# KiCad board LittleSixteen.kicad_pcb (continued)
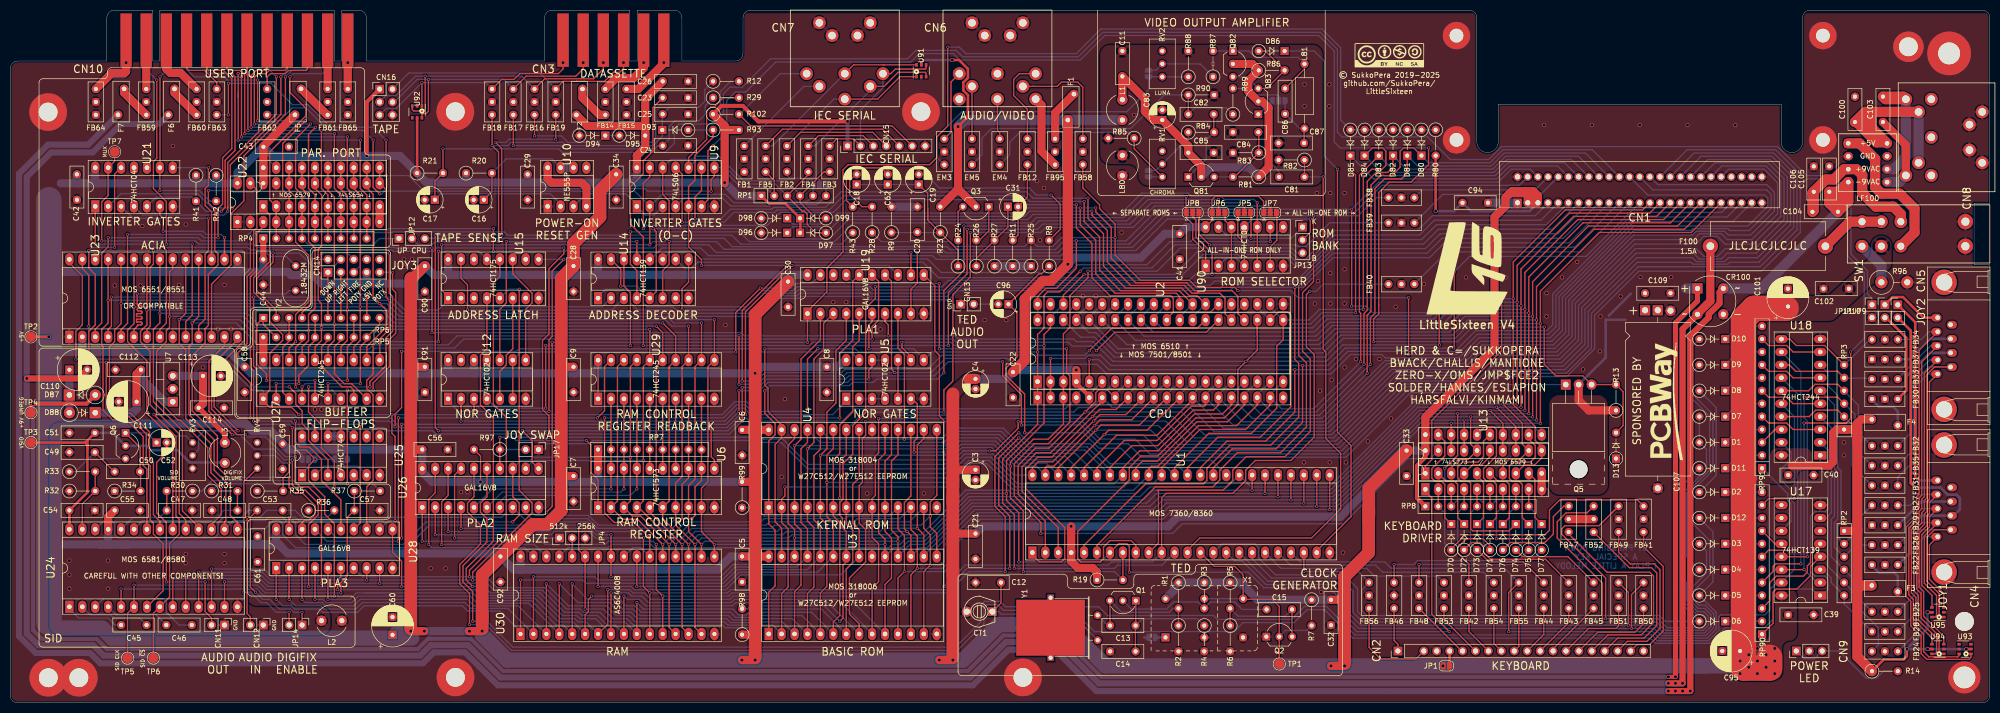
[diagram p0: board, top side]
## Routing (per net, layer and track width the routed paths; a pad name or vN(x,y) marks a point on that pad's centre or on a via; arc(x,y) is an arc through that point) (continued)
  Bottom w0.25: v1(148.29,69.62) 157.56,69.62 158.19,70.26 v1(184.35,70.26) ; v1(188.04,93.12) 201.88,93.12 202.9,94.14 220.05,94.14 224.23,98.33 243.16,98.33 243.79,97.7 v1(247.6,97.7)
/ROMs/rom_a15: length 172.1
  Top w0.25: 237.44,98.97 JP6.2 ; v1(183.47,64.92) 183.47,81.05 187.4,84.99 v1(187.4,93.75) ; v1(148.29,61.37) 148.29,56.92 150.32,54.89 150.32,52.73 149.05,51.46 U4.1 149.05,35.21 150.32,33.94 150.32,23.01 149.05,21.74 U3.1
  Bottom w0.25: 237.44,98.97 237.44,98.96 223.6,98.96 219.41,94.77 202.2,94.77 201.18,93.75 v1(187.4,93.75) ; v1(183.47,64.92) 182.19,63.65 170.26,63.65 169.62,63.02 165.56,63.02 164.92,62.38 149.3,62.38 v1(148.29,61.37)
  vias: v1(237.44,98.96)
/ROMs/singlerom_a14: length 11
  Top w0.25: 248.9,96.43 248.9,90.93 247.6,89.63 U90.6
/ROMs/singlerom_a15: length 11
  Top w0.25: U90.3 U90.12 238.74,94.79 JP6.3
/ROMs/singlerom_ce: length 18.4
  Top w0.25: v1(255.47,95.15) 255.47,92.54 JP13.2
  Bottom w0.25: v1(255.47,95.15) 244.12,95.15 U90.11
/ROMs/singlerom_ce_bas: length 26.1
  Top w0.25: v1(235.66,90.07) 233.66,92.07 JP8.3
  Bottom w0.25: JP13.3 252.82,88.47 251.85,89.44 242.96,89.44 242.33,90.07 v1(235.66,90.07)
/ROMs/singlerom_ce_krn: length 16.1
  Top w0.25: JP5.3 v1(243.82,91.34)
  Bottom w0.25: JP13.1 251.74,91.34 v1(243.82,91.34)
/ROMs/~{ce_basic_rom}: length 174.9
  Top w0.25: 168.1,74.45 168.1,57.05 165.56,54.51 165.56,48.92 163.65,47.02 163.65,40.03 163.02,39.4 163.02,36.86 163.53,36.35 163.53,34.44 164.29,33.68 U3.22 164.29,27.71 163.65,27.08 163.65,16.66 v1(163.02,16.03) ; 168.1,74.45 168.1,71.66 ; 168.1,74.45 168.1,77.62 170,79.53 v1(170,81.82) ; 232.36,95.66 JP8.2 232.36,95.53 233,94.9 233,91.59 236.17,88.42 v1(236.17,84.23)
  Bottom w0.25: v1(236.17,84.23) 232.87,84.23 231.73,83.09 184.35,83.09 183.08,81.82 v1(170,81.82) ; R98.2 144.91,18.5 145.49,19.08 159.97,19.08 v1(163.02,16.03)
/ROMs/~{ce_krn_rom}: length 152.3
  Top w0.25: v1(188.67,92.48) 188.67,83.72 185.24,80.29 185.24,63.27 183.47,61.5 v1(183.47,57.18) ; v1(163.02,40.29) 163.02,47.53 164.29,48.8 U4.22 ; JP5.2 242.52,97.7
  Bottom w0.25: v1(163.02,40.29) 163.02,37.24 162.51,36.73 148.17,36.73 146.52,38.38 143.95,38.38 ; 242.52,97.7 242.51,97.69 224.87,97.69 220.68,93.5 203.54,93.5 202.51,92.48 v1(188.67,92.48) ; U4.22 167.79,57.18 v1(183.47,57.18)
  vias: v1(242.52,97.69)
/ROMs/~{cef}: length 14
  Bottom w0.25: U90.8 248.56,91.98 239.02,91.98 U90.13
/SID!/audio_in: length 69.2
  Top w0.25: v1(48.21,21.74) 47.19,22.76 47.19,36.49 C53.2 ; v1(57.35,17.81) JP14.1
  Bottom w0.25: v1(57.35,17.81) 55.7,17.81 55.07,18.44 52.91,18.44 51,20.35 49.61,20.35 v1(48.21,21.74) ; U24.26 18.44,35.84 19.89,35.84 20.52,35.21 20.52,33.05 21.16,32.41 40.08,32.41 40.84,33.17 40.84,35.46 41.86,36.48 45.42,36.48 46.78,37.84 C53.2
/SID!/audio_out: length 12.4
  Top w0.25: U24.27 14.17,39.11 R32.2 R33.2
/SID!/down: length 15.4
  Top w0.25: RP6.4 57.35,76.74 59.26,78.64 59.26,87.15
  Bottom w0.25: CN14.2 59.31,87.2 59.26,87.15
  vias: v1(59.26,87.2)
/SID!/fire: length 28.5
  Top w0.25: 70.08,75.69 70.08,80.52 ; v1(61.16,88.42) v1(61.16,80.42)
  Bottom w0.25: v1(61.16,88.42) 66.3,88.42 CN14.6 ; v1(61.16,80.42) 69.98,80.42
  vias: v1(70.08,80.42)
/SID!/left: length 9
  Top w0.25: CN14.3 RP6.7
/SID!/potx: length 82.8
  Top w0.25: v1(71.32,61.5) 71.32,62.89 74.5,66.07 74.5,71.4 75.77,72.67 75.77,80.67 75.13,81.31 v1(75.13,84.61) ; v1(66.24,43.08) v1(66.24,61.5)
  Bottom w0.25: v1(66.24,61.5) v1(71.32,61.5) ; v1(66.24,43.08) 56.34,43.08 55.7,43.72 39.7,43.72 37.64,41.65 R30.1 ; v1(75.13,84.61) 75.08,84.66 72.62,84.66
/SID!/poty: length 97.9
  Top w0.25: v1(74.5,88.42) 74.5,80.55 75.13,79.91 75.13,73.05 73.86,71.78 73.86,68.23 ; v1(63.7,42.45) 63.7,47.59 61.16,50.13 61.16,54.64 58.62,57.18 v1(58.62,62.13) ; 73.86,68.23 73.86,67.34 ; 73.86,68.23 73.86,66.32 70.69,63.15 v1(70.69,62.13)
  Bottom w0.25: v1(58.62,62.13) v1(70.69,62.13) ; CN14.5 68.78,85.93 68.78,88.04 69.16,88.42 v1(74.5,88.42) ; R31.1 41,43.08 55.19,43.08 55.83,42.45 v1(63.7,42.45)
/SID!/right: length 30.5
  Top w0.25: 52.3,75.69 52.27,75.72 ; v1(51.64,88.42) 51.64,86.64 48.46,83.47 48.46,81.05 52.27,77.24 RP6.2
  Bottom w0.25: CN14.4 63.71,85.94 59.32,85.94 56.85,88.42 v1(51.64,88.42)
/SID!/sidclk: length 77.3
  Top w0.25: TP5.1 23.06,17.61 U24.6 v1(24.33,23.14) ; v1(64.97,21.62) 64.97,23.65 66.24,24.92 66.24,36.46 C57.1 R37.1
  Bottom w0.25: v1(64.97,21.62) 50.12,21.62 48.59,23.14 v1(24.33,23.14)
/SID!/up: length 9
  Top w0.25: CN14.1 RP6.6
/SID!/~{mux}: length 106.4
  Top w0.25: v1(15.44,88.93) 15.44,85.5 16.71,84.23 16.71,74.32 15.44,73.05 v1(15.44,67.59) ; v1(20.52,89.56) 20.52,103.97 U21.12 ; v1(54.84,62.13) 56.11,60.86 56.11,58.67 57.37,57.42 57.37,54.88 58.62,53.62 58.62,51.59 62.46,47.75 62.46,44.78
  Bottom w0.25: v1(20.52,89.56) 16.08,89.56 v1(15.44,88.93) ; v1(15.44,67.59) 42.5,67.59 47.96,62.13 v1(54.84,62.13) ; 62.2,44.78 62.46,44.78
/TED/clock_in: length 49.3
  Top w0.25: TP1.1 Q2.2 249.38,18.95 247.98,20.35 242.27,20.35 242.27,25.18 240.62,26.83 236.6,26.83 U1.14 233.88,29.14
  Bottom w0.25: Q2.2 250.62,14.25 254.79,14.25 R7.2 ; X1.8 X1.8
/User Port/cba: length 84.4
  Top w0.25: 47.19,102.17 48.46,100.9 48.46,93.37 47.83,92.74 47.83,85.12 46.56,83.85 46.56,70.64 44.72,68.8 44.72,65.37 47.21,62.88 47.21,56.17 v1(47.19,56.03) ; U28.15 64.97,39.91 61.16,43.72 61.16,47.91 58.75,50.32 56.97,50.32 56.08,51.21 v1(56.08,55.4)
  Bottom w0.25: v1(56.08,55.4) 55.45,56.03 v1(47.19,56.03)
/User Port/dcd_ttl: length 51.8
  Top w0.25: v1(43.54,123.73) 44.18,123.09 44.18,108.61 42.24,106.68 42.24,97.44 v1(41.48,96.67)
  Bottom w0.25: R41.2 38.49,96.67 v1(41.48,96.67) ; 26.87,97.62 28.71,99.45 35.63,99.45 36.43,98.65 ; v1(43.54,123.73) 42.58,124.69 CN10.H
/User Port/dsr_ttl: length 41.9
  Top w0.25: 29.44,105.24 v1(29.44,123.09) ; U21.9 v1(29.41,100.74)
  Bottom w0.25: v1(29.44,123.09) 30.7,124.34 CN10.L ; v1(29.41,100.74) 37.16,100.74 39.25,98.65 40.39,98.65
/User Port/dtr_ttl: length 58
  Top w0.25: v1(42.75,96.67) 42.75,97.56 ; 42.75,97.56 42.75,97.34 ; 42.75,97.56 42.75,106.21 52.3,115.76 v1(52.3,123.09)
  Bottom w0.25: U21.4 26.04,95.91 41.99,95.91 v1(42.75,96.67) ; CN10.E 50.5,124.9 v1(52.3,123.09)
/User Port/gab: length 82.9
  Top w0.25: v1(47.83,55.4) 47.83,65.31 47.21,65.93 47.21,70.12 47.19,70.13 47.19,83.72 48.46,84.99 48.46,92.36 49.73,93.63 U122.3 ; U28.14 68.78,35.39 v1(68.78,54.76)
  Bottom w0.25: v1(68.78,54.76) 55.8,54.76 55.16,55.4 v1(47.83,55.4)
/User Port/p0: length 50.2
  Top w0.25: 58.15,115.47 58.15,116.87 54.97,120.04 v1(54.97,123.09) ; 58.15,115.47 51,108.33 51,98.92 52.27,97.65 52.27,91.34 52.31,91.31
  Bottom w0.25: v1(54.97,123.09) 55.6,123.73 61.35,123.73 62.38,124.75 CN10.B
/User Port/p1: length 63.5
  Top w0.25: v1(48.62,122.46) v1(48.62,114.45) ; 54.81,97.65 54.81,91.34 54.85,91.31 ; v1(58.02,114.45) 53.54,109.98 53.54,100.74 54.81,99.47 U22.3
  Bottom w0.25: v1(48.62,122.46) 42.65,122.46 42.02,123.09 36.17,123.09 34.66,124.61 CN10.K ; 58.02,114.45 56.53,114.45 56.52,114.45 55.39,114.45 55.39,114.45 v1(48.62,114.45)
/User Port/p3: length 59.4
  Top w0.25: 59.93,91.31 59.89,91.34 59.89,97.59 59.92,97.62 59.92,99.85 58.62,101.15 58.62,111.79 v1(60.02,113.18) ; v1(47.35,113.18) 47.35,123.34 48.37,124.36 50.02,124.36 50.5,124.84 CN10.5 50.5,125.98
  Bottom w0.25: v1(47.35,113.18) v1(60.02,113.18)
/User Port/p4: length 54.1
  Top w0.25: CN10.6 46.54,123.52 46.72,123.34 v1(46.72,112.55) ; 62.47,91.31 62.43,91.34 62.43,99.88 61.16,101.15 61.16,112.52 v1(61.2,112.55)
  Bottom w0.25: v1(46.72,112.55) 61.19,112.55
/User Port/p5: length 60
  Top w0.25: CN10.7 42.58,124.73 42.95,124.36 45.19,124.36 46.08,123.47 v1(46.08,111.91) ; v1(63.74,111.91) 63.7,111.88 63.7,101.15 65,99.85 65,97.62 64.97,97.59 64.97,94.57 65,94.55 65,91.31 65.01,91.31
  Bottom w0.25: v1(46.08,111.91) 63.73,111.91
/User Port/p6: length 66.4
  Top w0.25: v1(45.44,123.09) v1(45.44,111.28) ; v1(66.28,111.28) 66.24,111.25 66.24,101.15 67.54,99.85 67.54,97.62 67.51,97.59 67.51,94.57 67.54,94.55 67.54,91.31 67.55,91.31
  Bottom w0.25: CN10.J 38.62,124.46 39.35,123.73 42.4,123.73 43.03,123.09 v1(45.44,123.09) ; v1(45.44,111.28) 66.27,111.28
/User Port/p7: length 70
  Top w0.25: 70.09,91.31 70.08,91.31 70.08,94.55 70.05,94.57 70.05,97.59 70.08,97.62 70.08,99.85 68.78,101.15 68.78,110.61 v1(68.82,110.64) ; 44.81,119.88 44.81,119.15 ; 44.81,119.15 v1(44.81,123.73) ; 44.81,119.15 v1(44.81,110.64)
  Bottom w0.25: v1(44.81,123.73) 45.83,123.73 46.54,124.44 CN10.F 46.54,125.93 ; v1(44.81,110.64) 68.81,110.64
/User Port/q+: length 46.7
  Top w0.25: U23.6 24.33,73.41 24.97,74.05 24.98,74.11 25,74.17 25.03,74.22 25.07,74.26 25.12,74.29 25.18,74.32 25.24,74.32 25.64,74.32 25.7,74.33 25.76,74.35 25.81,74.38 25.85,74.43 25.89,74.48 25.91,74.54 25.91,74.6 25.91,74.66 25.89,74.72 25.85,74.77 25.81,74.81 25.76,74.84 25.7,74.87 25.64,74.87 24.9,74.87 24.88,74.87 24.87,74.88 24.85,74.89 24.84,74.9 24.83,74.91 24.83,74.93 24.83,74.94 24.83,75.35 24.83,75.37 24.83,75.38 24.84,75.4 24.85,75.41 24.87,75.41 24.88,75.42 24.9,75.42 25.64,75.42 25.7,75.43 25.76,75.45 25.81,75.48 25.85,75.53 25.89,75.58 25.91,75.64 25.91,75.7 25.91,75.76 25.89,75.82 25.85,75.87 25.81,75.91 25.76,75.94 25.7,75.97 25.64,75.97 24.9,75.97 24.88,75.97 24.87,75.98 24.85,75.99 24.84,76 24.83,76.01 24.83,76.03 24.83,76.04 24.83,76.45 24.83,76.47 24.83,76.48 24.84,76.5 24.85,76.51 24.87,76.51 24.88,76.52 24.9,76.52 25.64,76.52 25.7,76.53 25.76,76.55 25.81,76.58 25.85,76.63 25.89,76.68 25.91,76.74 25.91,76.8 25.91,76.86 25.89,76.92 25.85,76.97 25.81,77.01 25.76,77.04 25.7,77.07 25.64,77.07 25.24,77.07 25.18,77.08 25.12,77.1 25.07,77.13 25.03,77.18 25,77.23 24.98,77.29 24.97,77.35 24.98,77.41 25,77.47 25.03,77.52 25.07,77.56 25.12,77.59 25.18,77.62 25.24,77.62 25.64,77.62 25.7,77.63 25.76,77.65 25.81,77.68 25.85,77.73 25.89,77.78 25.91,77.84 25.91,77.9 25.91,77.96 25.89,78.02 25.85,78.07 25.81,78.11 25.76,78.14 25.7,78.17 25.64,78.17 25.24,78.17 25.18,78.18 25.12,78.2 25.07,78.23 25.03,78.28 25,78.33 24.98,78.39 24.97,78.45 v1(24.97,80.42)
  Bottom w0.25: Y2.2 54.83,81.07 54.18,80.42 v1(24.97,80.42)
/User Port/q-: length 46.7
  Top w0.25: 26.87,71.96 26.87,73.41 27.51,74.05 27.51,85.63 28.14,86.26 v1(28.14,88.93)
  Bottom w0.25: Y2.1 54.25,87.78 51.1,87.78 50.46,88.42 46.05,88.42 45.54,88.93 v1(28.14,88.93)
/User Port/rts_ttl: length 64.3
  Top w0.25: v1(53.19,123.09) 53.19,115.72 43.26,105.79 43.26,97.69 v1(43.64,97.31)
  Bottom w0.25: U21.2 21.74,100.1 36.84,100.1 39.64,97.31 42.75,97.31 ; 42.78,97.31 v1(43.64,97.31) ; v1(53.19,123.09) 54.46,124.35 CN10.D
/User Port/rxc_ttl: length 86.6
  Top w0.25: 38.82,130.3 38.82,126.12 ; v1(23.06,92.1) 23.06,74.64 21.79,73.37 U23.5 ; v1(40.84,91.47) 40.84,97.18 41.73,98.07 41.73,107.19 43.54,108.99 43.54,122.71 41.89,124.36 38.97,124.36 38.62,124.71 CN10.8
  Bottom w0.25: v1(23.06,92.1) 37.42,92.1 38.05,91.47 v1(40.84,91.47)
/User Port/rxd_ttl: length 67.7
  Top w0.25: U23.12 39.57,82.32 43.38,86.13 43.38,96.17 45.92,98.71 45.92,107.56 54.08,115.72 ; v1(54.08,123.09) 54.08,115.72
  Bottom w0.25: v1(54.08,123.09) 55.35,124.36 57.98,124.36 58.42,124.8 CN10.C
/User Port/txd_ttl: length 66.1
  Top w0.25: U23.10 34.49,74.96 35.76,76.23 v1(35.76,90.2) ; v1(28.81,122.46) 28.81,107.09 28.14,106.42 28.14,101.12 30.68,98.58 v1(30.68,90.2)
  Bottom w0.25: CN10.M 26.74,124.53 v1(28.81,122.46) ; v1(30.68,90.2) v1(35.76,90.2)
/User Port/~{dcd_ttl}: length 22
  Top w0.25: U21.6 29.41,95.91 30.05,95.28 v1(30.05,92.74) ; v1(42.11,91.47) U23.16
  Bottom w0.25: v1(30.05,92.74) 37.92,92.74 38.56,92.1 41.48,92.1 v1(42.11,91.47)
/User Port/~{dsr_ttl}: length 25.8
  Top w0.25: v1(38.94,105.24) 38.94,101.75 38.3,101.12 38.3,97.82 39.57,96.55 U23.17
  Bottom w0.25: 31.95,105.24 v1(38.94,105.24)
/User Port/~{dtr_ttl}: length 42.2
  Top w0.25: 37.03,71.96 37.03,74.2 38.3,75.47 38.3,88.29 38.94,88.93 38.94,95.24
  Bottom w0.25: U21.3 24.13,95.28 v1(38.94,95.28)
/User Port/~{rts_ttl}: length 39.4
  Top w0.25: U23.8 29.41,73.41 30.68,74.68 30.68,88.93 v1(29.41,90.2) ; U21.1 v1(16.71,90.2)
  Bottom w0.25: v1(16.71,90.2) 29.41,90.2 v1(29.41,90.2)
a0: length 609.9
  Top w0.25: v1(58.62,22.89) 58.62,35.08 60.53,36.98 60.53,39.27 57.99,41.81 56.47,41.81 55.45,42.83 v1(55.45,47.78) ; v1(76.91,22.89) 76.91,27.84 75.13,29.62 U28.11 ; U23.13 42.11,70.26 39.07,67.21 39.07,57.3 v1(43.64,52.73) ; U30.7 117.43,15.45 v1(117.43,22.25) ; U1.3 205.94,34.45 198.83,41.56 198.83,46.39 201.63,49.18 204.42,49.18 214.58,59.34 U2.6 ; v1(173.18,56.54) 173.18,48.8 171.91,47.53 U4.10 171.91,33.69 173.18,32.42 173.18,24.54 171.91,23.27 U3.10 ; v1(90.88,22.89) 89.61,24.16 89.61,26.44 94.95,31.78 94.95,56.03 92.41,58.57 92.41,68.35 93.68,69.62 U15.4 ; v1(31.95,24.41) U24.9
  Bottom w0.25: U3.10 164.47,20.98 142.06,20.98 141.43,20.35 125.93,20.35 124.66,21.62 122.38,21.62 121.74,22.25 v1(117.43,22.25) ; U30.7 113.16,15.9 111.58,15.9 110.95,16.54 108.15,16.54 103.58,21.11 93.68,21.11 91.9,22.89 v1(76.91,22.89) v1(58.62,22.89) 50.62,22.89 49.1,24.41 v1(31.95,24.41) ; CN1.Y 337.7,104.93 344.63,104.93 347.3,102.27 347.3,96.17 342.22,91.09 337.39,91.09 336.25,92.23 331.93,92.23 330.79,91.09 319.1,91.09 306.91,78.89 306.91,72.04 303.86,68.99 289.9,68.99 286.46,65.56 271.48,65.56 259.28,53.37 236.56,53.37 231.86,58.07 216.54,58.07 U2.6 ; U102.7 214.58,60.61 U2.6 ; v1(173.18,56.54) 183.85,56.54 184.48,57.18 208.99,57.18 209.88,58.07 212.62,58.07 U2.6 ; v1(55.45,47.78) 53.84,47.78 51.75,49.87 48.02,49.87 45.16,52.73 v1(43.64,52.73)
a1: length 614
  Top w0.25: v1(46.18,52.73) 44.59,52.73 39.57,57.75 39.57,66.32 44.65,71.4 U23.14 ; v1(170.64,55.91) 170.64,49.18 170,48.55 170,40.79 169.37,40.16 U4.9 169.37,32.54 170.64,31.27 170.64,23.78 169.37,22.51 U3.9 ; U28.9 v1(72.59,23.52) ; v1(84.15,88.8) v1(84.15,71.02) ; U30.8 v1(118.06,21.62) ; v1(56.08,48.41) 56.08,43.33 56.97,42.45 58.62,42.45 61.16,39.91 v1(61.16,23.52) ; U2.7 215.58,61.56 213.88,61.56 213.31,60.99 213.31,59.28 204.1,50.07 201.44,50.07 198.07,46.7 198.07,41.05 203.4,35.72 U1.2 ; v1(34.49,25.05) U24.10
  Bottom w0.25: U3.9 162.56,20.35 142.32,20.35 141.68,19.71 125.39,19.71 124.12,20.98 122.12,20.98 121.49,21.62 v1(118.06,21.62) ; U2.7 217.12,60.61 U102.8 ; v1(46.18,52.73) 46.62,52.29 50.18,52.29 54.05,48.41 v1(56.08,48.41) ; CN1.X 336.34,105.57 345.01,105.57 347.93,102.65 347.93,95.66 342.47,90.2 337.01,90.2 335.48,91.72 332.76,91.72 331.23,90.2 319.23,90.2 307.54,78.51 307.54,71.66 304.18,68.29 290.21,68.29 286.91,64.99 271.92,64.99 259.67,52.73 234.65,52.73 230.21,57.18 211.16,57.18 211.15,57.18 ; 211.21,57.18 210.57,56.54 184.74,56.54 184.1,55.91 v1(170.64,55.91) ; U30.8 115.06,16.54 111.96,16.54 111.33,17.17 108.53,17.17 104.09,21.62 94.37,21.62 92.47,23.52 v1(61.16,23.52) 50.88,23.52 49.35,25.05 v1(34.49,25.05) ; U23.14 46.61,70 69.93,70 70.94,71.02 v1(84.15,71.02) ; v1(84.15,88.8) 92.08,88.8 U15.13
  vias: v1(211.21,57.18)
a2: length 558.5
  Top w0.25: v1(90.88,24.16) 90.88,25.68 102.57,37.37 102.57,39.27 100.03,41.81 v1(100.03,81.31) ; v1(168.1,55.27) 168.1,52.61 167.46,51.97 167.46,43.34 166.83,42.7 U4.8 166.83,35.34 168.1,34.07 168.1,27.72 164.92,24.54 164.92,17.43 166.83,15.53 U3.8 ; v1(37.03,25.68) 37.03,18.88 ; v1(120.6,20.98) U30.9 ; U2.8 217.32,57.69 214.07,57.69 204.67,48.29 201.88,48.29 199.59,46.01 199.59,42.07 207.21,34.45 207.21,28.35 206.58,27.71 202.26,27.71 200.86,29.11 U1.1 ; U28.8 v1(70.05,24.16)
  Bottom w0.25: U102.9 219.66,60.61 U2.8 ; CN1.W 334.97,106.2 345.39,106.2 348.56,103.03 348.56,95.02 342.85,89.31 337.01,89.31 335.48,87.78 332.82,87.78 331.29,89.31 319.36,89.31 308.18,78.13 308.18,71.28 304.5,67.6 290.53,67.6 287.35,64.42 272.37,64.42 260.05,52.1 232.75,52.1 228.56,56.29 212.68,56.29 212.68,56.29 212.29,55.91 185.05,55.91 184.42,55.27 v1(168.1,55.27) ; v1(100.03,81.31) 97.94,81.31 U15.5 ; U3.8 160.66,19.71 142.57,19.71 141.94,19.08 124.92,19.08 123.65,20.35 121.24,20.35 v1(120.6,20.98) ; U30.9 118.88,15.27 117.3,15.27 115.39,17.17 112.38,17.17 111.74,17.81 108.92,17.81 104.6,22.13 95.07,22.13 93.04,24.16 v1(90.88,24.16) 51.13,24.16 49.61,25.68 v1(37.03,25.68)
  vias: v1(212.68,56.29)
a3: length 512
  Top w0.25: v1(90.25,24.79) 90.25,26.06 97.49,33.3 97.49,56.16 94.95,58.7 94.95,82.58 96.22,83.85 U15.12 ; U1.48 200.86,46.23 202.03,47.4 204.86,47.4 214.13,56.67 219.25,56.67 222.2,59.62 U2.9 ; v1(39.57,26.32) U24.12 ; v1(164.29,45.11) U4.7 164.29,35.21 165.56,33.94 165.56,27.59 164.29,26.32 U3.7 ; v1(123.14,19.71) U30.10
  Bottom w0.25: v1(39.57,26.32) 49.86,26.32 51.38,24.79 65.84,24.79 67.54,26.5 ; v1(123.14,19.71) 124.41,18.44 142,18.44 143.14,17.3 144.73,17.3 145.87,18.44 159.39,18.44 U3.7 ; 122.82,13.86 120.78,15.9 117.81,15.9 115.9,17.81 112.73,17.81 112.09,18.44 109.3,18.44 105.11,22.63 95.71,22.63 93.55,24.79 v1(90.25,24.79) 69.22,24.79 U28.7 ; 212.87,55.4 212.87,55.4 227.03,55.4 230.97,51.46 260.46,51.46 272.84,63.84 287.8,63.84 290.85,66.9 304.81,66.9 308.81,70.9 308.81,77.75 319.48,88.42 330.79,88.42 331.93,87.28 336.25,87.28 337.39,88.42 343.1,88.42 349.2,94.52 349.2,103.41 345.77,106.84 333.61,106.84 CN1.V ; U2.9 222.2,60.61 U102.10 ; v1(164.29,45.11) 183.72,45.11 187.53,48.92 193.12,48.92 197.25,44.78 U1.48
  vias: v1(212.9,55.4)
a4: length 483.6
  Top w0.25: U28.6 64.97,24.79 64.34,24.16 v1(64.34,22.25) ; v1(114.25,20.98) 113.62,20.35 113.62,17.93 112.98,17.3 U30.6 ; U3.6 161.75,15.9 163.02,17.17 163.02,35.47 161.75,36.74 U4.6 v1(161.75,47.78) 163.02,49.05 163.02,54.64 165.56,57.18 165.56,70 166.83,71.27 U19.5 ; v1(42.11,23.78) U24.13 ; U2.10 220.37,55.65 214.19,55.65 205.06,46.51 203.68,46.51 203.4,46.23 U1.47
  Bottom w0.25: U3.6 157.48,17.81 146.25,17.81 145.24,16.79 142.57,16.79 141.56,17.81 124.03,17.81 122.76,19.08 120.98,19.08 119.08,20.98 v1(114.25,20.98) ; 213.06,54.52 213.06,54.51 225.63,54.51 229.32,50.83 260.87,50.83 273.32,63.27 288.24,63.27 291.17,66.2 305.13,66.2 309.45,70.52 309.45,77.37 319.61,87.53 330.53,87.53 331.29,86.77 336.88,86.77 337.64,87.53 343.36,87.53 349.83,94.01 349.83,103.79 346.15,107.47 332.24,107.47 CN1.U ; U1.47 201.67,46.51 197.56,46.51 193.24,50.83 186.89,50.83 183.85,47.78 v1(161.75,47.78) ; U30.6 110.62,15.9 107.77,15.9 103.07,20.6 93.04,20.6 91.39,22.25 v1(64.34,22.25) 50.37,22.25 48.84,23.78 v1(42.11,23.78) ; U2.10 224.74,60.61 U102.11
  vias: v1(213.06,54.51)
a5: length 475
  Top w0.25: U3.5 159.21,21.62 160.48,22.89 160.48,35.08 159.21,36.35 U4.5 v1(159.21,48.67) 160.48,49.94 160.48,57.18 162.26,58.96 162.26,69.24 164.29,71.27 U19.4 ; v1(110.44,23.4) U30.5 ; U28.5 v1(62.43,20.35) ; U1.46 205.94,46.23 214.35,54.64 221.89,54.64 U2.11
  Bottom w0.25: U1.46 203.58,47.14 197.94,47.14 193.62,51.46 186.51,51.46 183.72,48.67 v1(159.21,48.67) ; 213.34,53.62 213.34,53.63 ; 224.11,53.63 213.34,53.63 ; U30.5 108.72,15.27 107.27,15.27 102.44,20.09 92.41,20.09 90.88,21.62 68.02,21.62 66.75,20.35 v1(62.43,20.35) ; U3.5 155.58,17.17 146.63,17.17 145.75,16.28 142.03,16.28 141.14,17.17 123.65,17.17 122.38,18.44 120.35,18.44 118.44,20.35 113.49,20.35 v1(110.44,23.4) ; U102.12 227.28,60.61 U2.11 ; CN1.T 330.88,108.11 346.53,108.11 350.47,104.17 350.47,93.5 343.61,86.64 337.9,86.64 337.52,86.26 330.66,86.26 330.28,86.64 319.74,86.64 310.08,76.99 310.08,70.14 305.45,65.5 291.48,65.5 288.68,62.7 273.76,62.7 261.25,50.19 227.54,50.19 224.11,53.62 ; 74.25,21.62 69.55,21.62
  vias: v1(213.32,53.63)
a6: length 477.8
  Top w0.25: U1.45 208.48,46.23 215.87,53.62 223.42,53.62 U2.12 ; 161.75,76.53 159.84,74.63 159.84,69.5 157.94,67.59 157.94,51.21 v1(156.67,49.94) U4.4 156.67,35.72 157.94,34.45 157.94,22.77 156.67,21.5 U3.4 ; v1(107.9,23.4) U30.4 ; U28.4 v1(59.89,20.35)
  Bottom w0.25: U102.13 229.82,60.61 U2.12 ; U30.4 101.86,19.59 91.77,19.59 90.37,20.98 68.4,20.98 67.13,19.71 62.12,19.71 61.48,20.35 v1(59.89,20.35) ; U3.4 153.67,16.54 147.02,16.54 146.25,15.78 141.56,15.78 140.79,16.54 123.27,16.54 122,17.81 119.71,17.81 117.81,19.71 111.58,19.71 v1(107.9,23.4) ; 214.99,52.74 214.99,52.73 222.59,52.73 225.76,49.56 261.63,49.56 274.21,62.13 289.13,62.13 291.8,64.8 305.77,64.8 310.72,69.76 310.72,76.58 319.89,85.75 343.87,85.75 351.11,92.99 351.11,104.55 346.91,108.74 329.51,108.74 CN1.S ; U1.45 205.49,47.78 198.32,47.78 194.01,52.1 186.13,52.1 183.97,49.94 v1(156.67,49.94)
  vias: v1(214.97,52.73)
a7: length 450.3
  Top w0.25: U3.3 154.13,21.88 155.4,23.15 155.4,33.94 154.13,35.21 U4.3 v1(154.13,50.57) 155.4,51.84 155.4,67.59 159.21,71.4 U19.2 ; U2.13 232.36,59.62 225.34,52.61 217.39,52.61 211.02,46.23 U1.44 ; v1(105.36,23.4) U30.3 ; 57.35,22 v1(57.35,20.35) ; 57.35,22 U28.3 ; 57.35,22 57.35,21.62
  Bottom w0.25: v1(154.13,50.57) 183.72,50.57 185.88,52.73 194.39,52.73 198.7,48.41 207.39,48.41 U1.44 ; v1(57.35,20.35) 57.99,19.71 61.29,19.71 61.93,19.08 67.51,19.08 68.78,20.35 89.87,20.35 91.14,19.08 99.83,19.08 U30.3 ; v1(105.36,23.4) 109.68,19.08 117.17,19.08 119.08,17.17 121.62,17.17 122.89,15.9 140.41,15.9 141.05,15.27 146.76,15.27 147.4,15.9 151.77,15.9 U3.3 ; U102.14 232.36,60.61 U2.13 238.38,54 258.9,54 271.03,66.13 286.02,66.13 289.57,69.69 303.54,69.69 306.27,72.42 306.27,79.22 319.04,91.98 330.53,91.98 331.29,92.74 336.88,92.74 337.64,91.98 341.97,91.98 346.66,96.67 346.66,100.43 345.2,101.88 323.75,101.88 CN1.R
a8: length 447.2
  Top w0.25: 54.81,21.87 54.81,21.62 ; 54.81,21.87 U28.2 ; 54.81,21.87 v1(54.81,20.35) ; U2.14 234.9,58.58 234.64,58.32 232.1,58.32 225.37,51.59 218.92,51.59 213.56,46.23 U1.43 ; U3.25 156.67,34.2 155.4,35.47 155.4,49.94 156.67,51.21 U4.25 ; v1(183.47,51.21) 183.47,55.53 182.58,56.42 182.58,68.35 181.69,69.24 181.69,82 U19.11 ; v1(102.82,24.79) U30.2
  Bottom w0.25: CN1.P 322.76,100.87 345.14,100.87 346.02,99.98 346.02,97.18 341.71,92.87 337.89,92.87 337.52,93.25 330.65,93.25 330.28,92.87 319.04,92.87 305.64,79.47 305.64,72.8 303.23,70.39 289.26,70.39 285.57,66.7 270.59,66.7 258.52,54.64 240.29,54.64 U2.14 234.9,60.61 U102.15 ; v1(102.82,24.79) 114.88,24.79 115.52,24.16 139.9,24.16 142.44,26.7 154.58,26.7 U3.25 ; v1(54.81,20.35) 56.08,19.08 61.04,19.08 61.67,18.44 67.9,18.44 69.16,19.71 89.36,19.71 90.5,18.57 97.79,18.57 U30.2 ; U4.25 159.13,51.21 v1(183.47,51.21) 185.62,53.37 194.77,53.37 199.09,49.05 209.3,49.05 U1.43
a9: length 439.5
  Top w0.25: v1(52.27,20.35) 52.27,22 ; 52.27,22 U28.1 ; 52.27,22 52.27,21.62 ; U1.42 216.1,46.26 220.41,50.57 225.5,50.57 232.49,57.56 236.42,57.56 237.44,58.57 U2.15 ; U4.24 159.21,49.88 157.94,48.61 157.94,35.97 159.21,34.7 U3.24 ; v1(100.28,24.16) U30.1 ; v1(175.71,51.85) 175.72,51.85 175.72,68.48 174.45,69.75 U19.8
  Bottom w0.25: U102.16 237.44,60.61 U2.15 242.19,55.27 258.14,55.27 270.14,67.27 285.13,67.27 288.94,71.08 302.91,71.08 305,73.18 305,79.72 319.04,93.76 341.46,93.76 345.39,97.69 345.39,99.21 344.75,99.85 321.78,99.85 CN1.N ; U30.1 100.28,14 96.22,18.06 89.87,18.06 88.85,19.08 69.55,19.08 68.28,17.81 61.42,17.81 60.78,18.44 55.89,18.44 55.26,19.08 53.54,19.08 v1(52.27,20.35) ; U4.24 161.03,51.85 v1(175.71,51.85) 178.26,51.85 180.8,51.84 180.79,51.85 182.96,51.85 185.12,54 195.15,54 199.47,49.68 211.2,49.68 U1.42 ; U3.24 156.62,26.19 142.83,26.19 140.16,23.52 113.11,23.52 112.47,24.16 v1(100.28,24.16)
a10: length 303.8
  Top w0.25: U3.21 166.83,34.07 165.56,35.34 165.56,42.95 v1(166.83,44.22) U4.21 ; D80.1 275.79,109.13 273.76,109.13 273.13,108.49 273.13,105.32 271.48,103.66 269.25,103.66 267.41,101.82 267.41,76.99 266.65,76.23 266.65,65.18 ; 266.65,65.18 266.65,64.92 ; 266.65,65.18 v1(266.65,64.8) ; U1.41 218.64,46.23 221.97,49.56 225.5,49.56 232.74,56.8 238.2,56.8 239.98,58.57 U2.16 ; U30.26 v1(115.52,22.89)
  Bottom w0.25: U3.21 163.22,25.17 143.59,25.17 140.67,22.25 122.63,22.25 122,22.89 v1(115.52,22.89) ; CN1.M 310.89,108.74 293.32,108.74 290.78,106.2 278.72,106.2 D80.1 ; v1(166.83,44.22) 183.85,44.22 187.91,48.29 192.74,48.29 197.94,43.08 216.94,43.08 U1.41 ; v1(266.65,64.8) 257.76,55.91 244.1,55.91 U2.16 239.98,60.61 U102.17
a11: length 291.9
  Top w0.25: U3.23 161.75,35.34 160.48,36.61 160.48,48.74 161.75,50.01 U4.23 ; v1(123.14,22.89) U30.23 ; U1.40 221.18,46.23 222.48,47.53 225.44,47.53 233.19,55.27 239.22,55.27 242.52,58.57 U2.17 ; D81.1 274.52,104.17 273.38,103.03 270.08,103.03 268.17,101.12 268.17,76.61 267.29,75.72 v1(267.29,66.58)
  Bottom w0.25: CN1.L 309.52,108.11 293.57,108.11 291.03,105.57 276.56,105.57 D81.1 ; v1(123.14,22.89) 140.41,22.89 143.21,25.68 158.65,25.68 U3.23 ; U1.40 218.85,42.45 197.56,42.45 192.36,47.65 188.35,47.65 184.04,43.33 v1(160.48,43.33) ; U102.18 242.52,60.61 U2.17 246,56.54 257.25,56.54 v1(267.29,66.58)
a12: length 341
  Top w0.25: v1(266.01,66.58) 266.01,76.54 266.65,77.18 266.65,102.52 268.43,104.3 270.71,104.3 271.73,105.32 D82.1 ; U2.18 245.06,58.57 241,54.51 233.5,54.51 225.51,46.51 224.23,46.51 223.72,46.01 U1.39 ; v1(152.22,42.45) 152.22,40.67 151.59,40.03 U4.2 151.59,35.47 152.86,34.2 152.86,22.77 151.59,21.5 U3.2 ; U26.4 v1(88.6,34.32) ; v1(112.98,18.44) U30.27 111.71,30.05 v1(111.71,34.95)
  Bottom w0.25: v1(88.6,34.32) 105.8,34.32 106.44,34.95 v1(111.71,34.95) ; U1.39 220.75,41.81 197.18,41.81 191.97,47.02 188.74,47.02 184.16,42.45 v1(152.22,42.45) ; U102.19 245.06,60.61 U2.18 247.91,57.18 256.62,57.18 v1(266.01,66.58) ; CN1.K 308.16,107.47 293.86,107.47 291.32,104.93 274.4,104.93 D82.1 ; U3.2 149.86,15.27 147.78,15.27 147.27,14.76 140.51,14.76 140,15.27 122.5,15.27 121.24,16.54 118.44,16.54 116.54,18.44 v1(112.98,18.44)
